# Altium PCB LOAPAY_V6.6.8.PcbDoc (part 1 of 2)
Units mm, origin at the board's own origin, x right, y up, seen from the top; angles counter-clockwise.
Board outline 78.36 x 56.26 mm, 4 copper layers (Top Layer, Layer 1, Layer 2, Bottom Layer), stack 1.021 mm thick; 204 components, 119 nets, 643 pads, 539 vias.
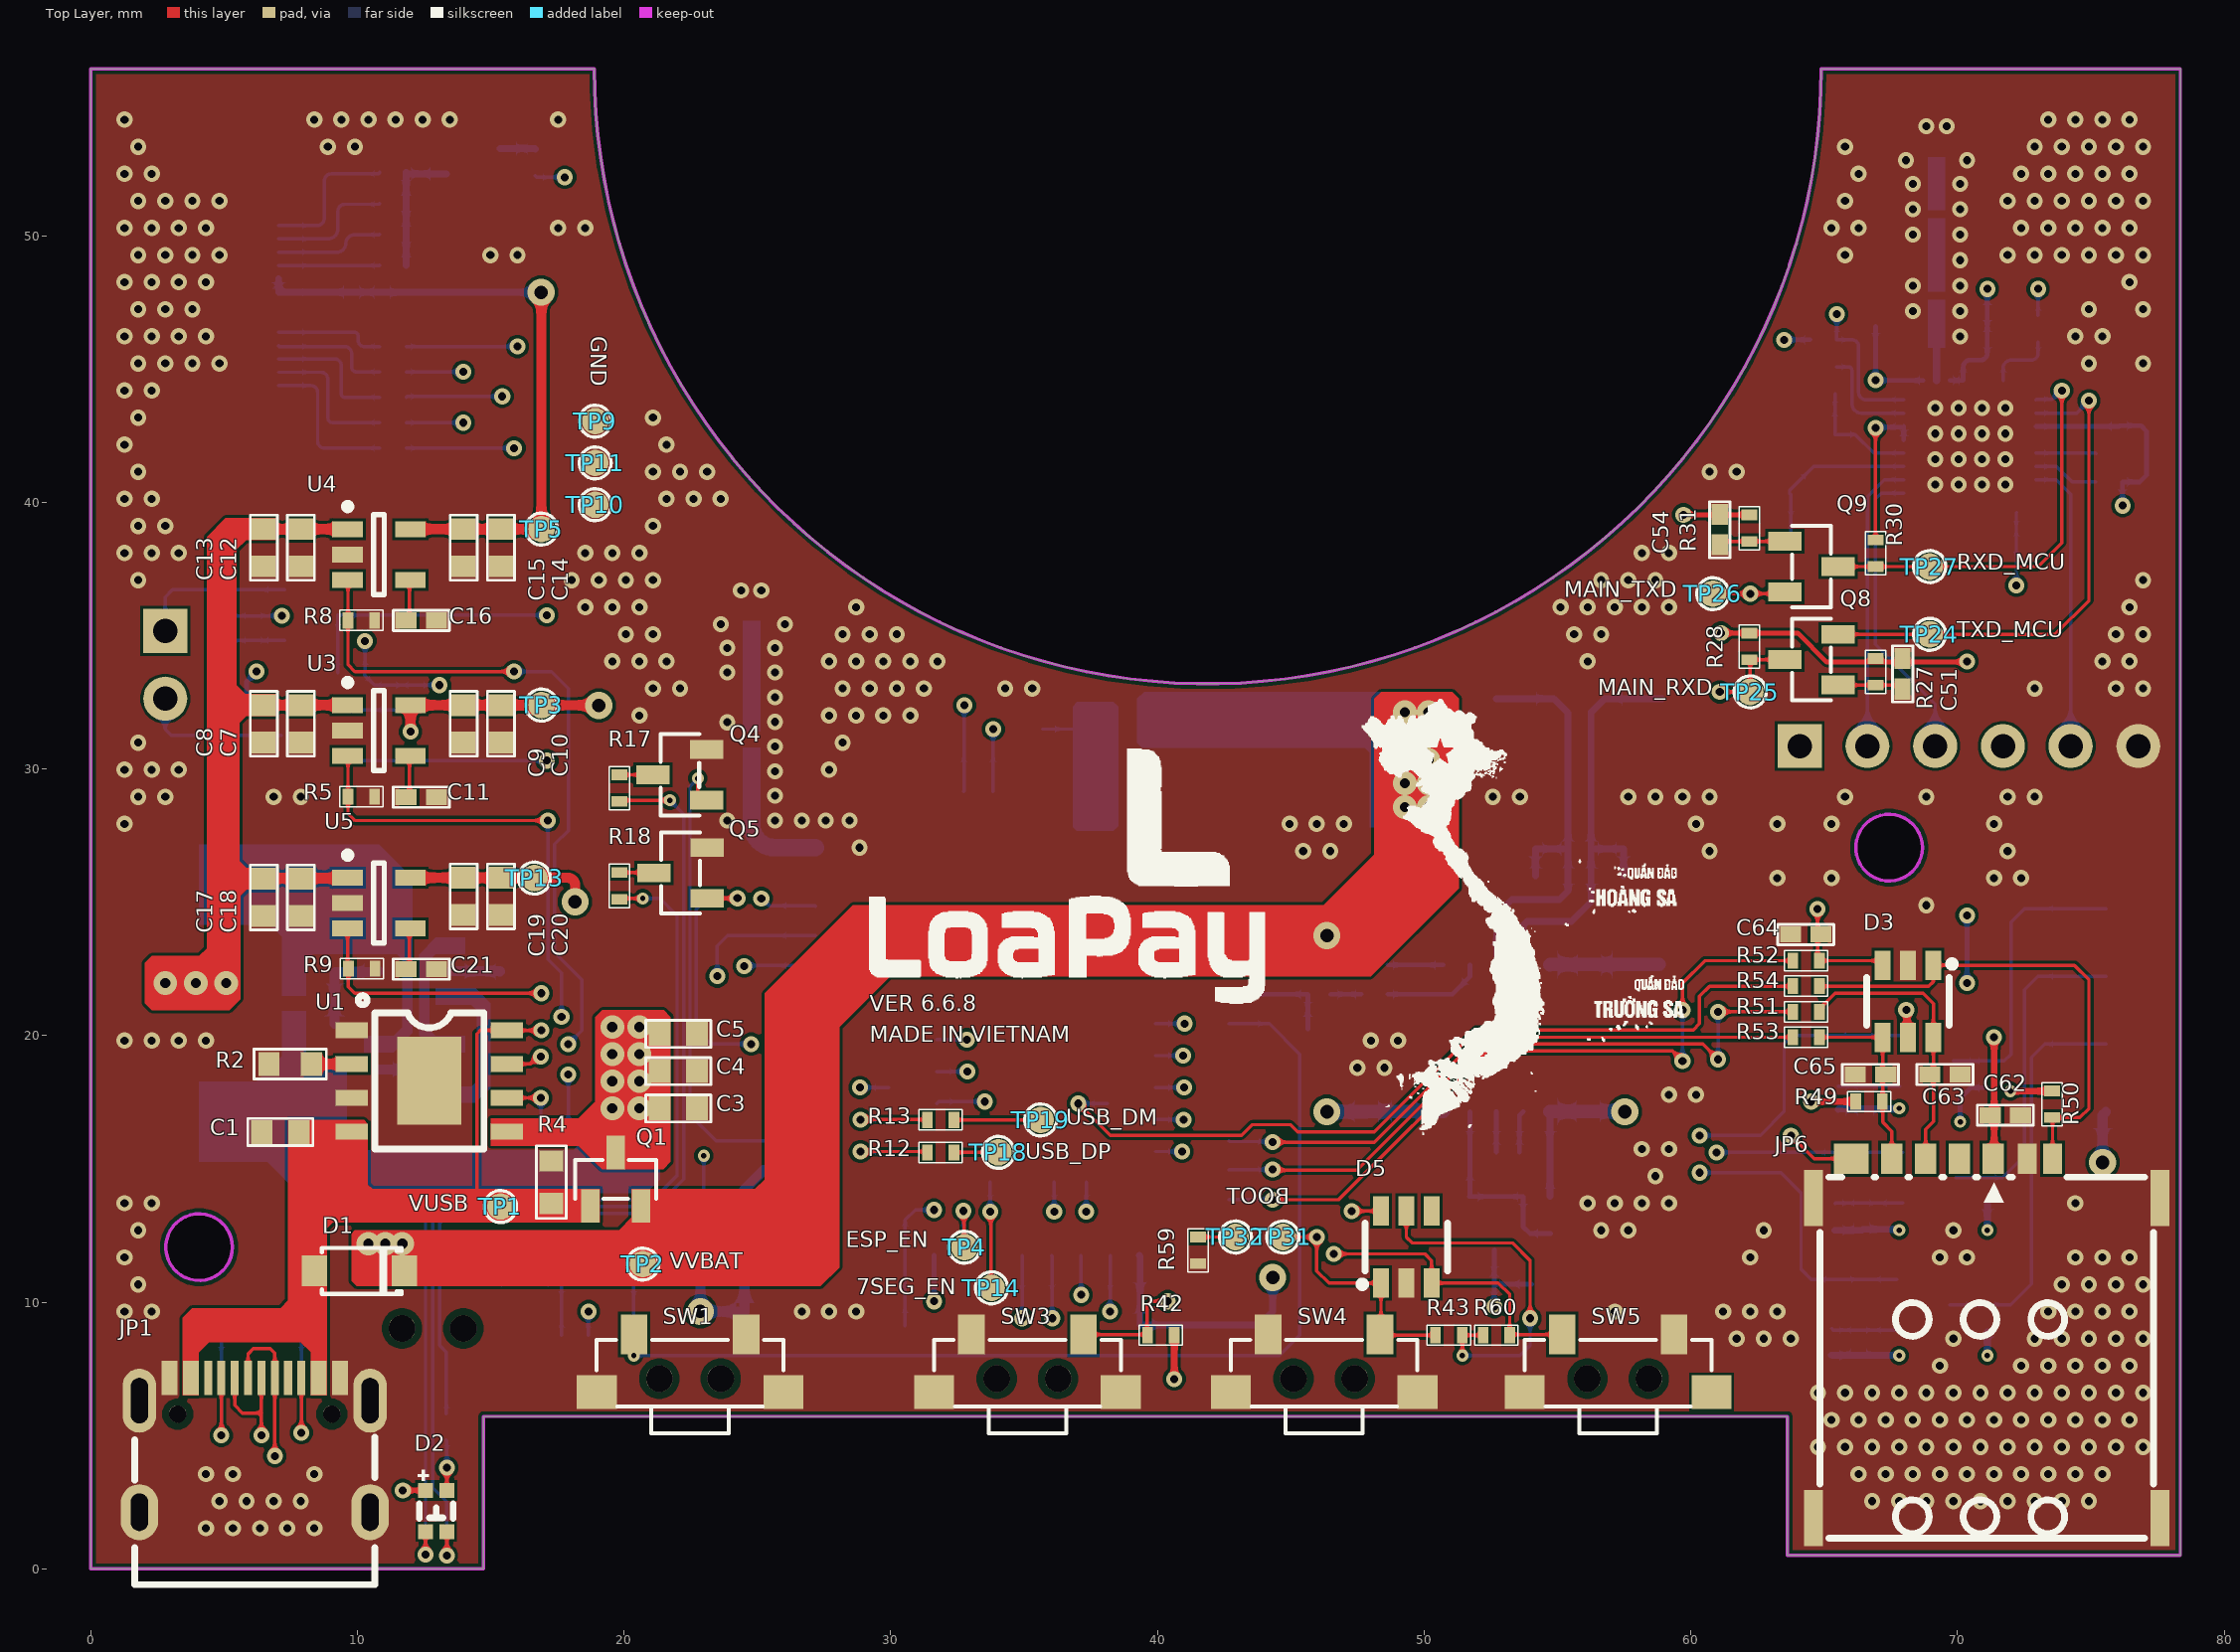
[diagram p0: Top Layer view]
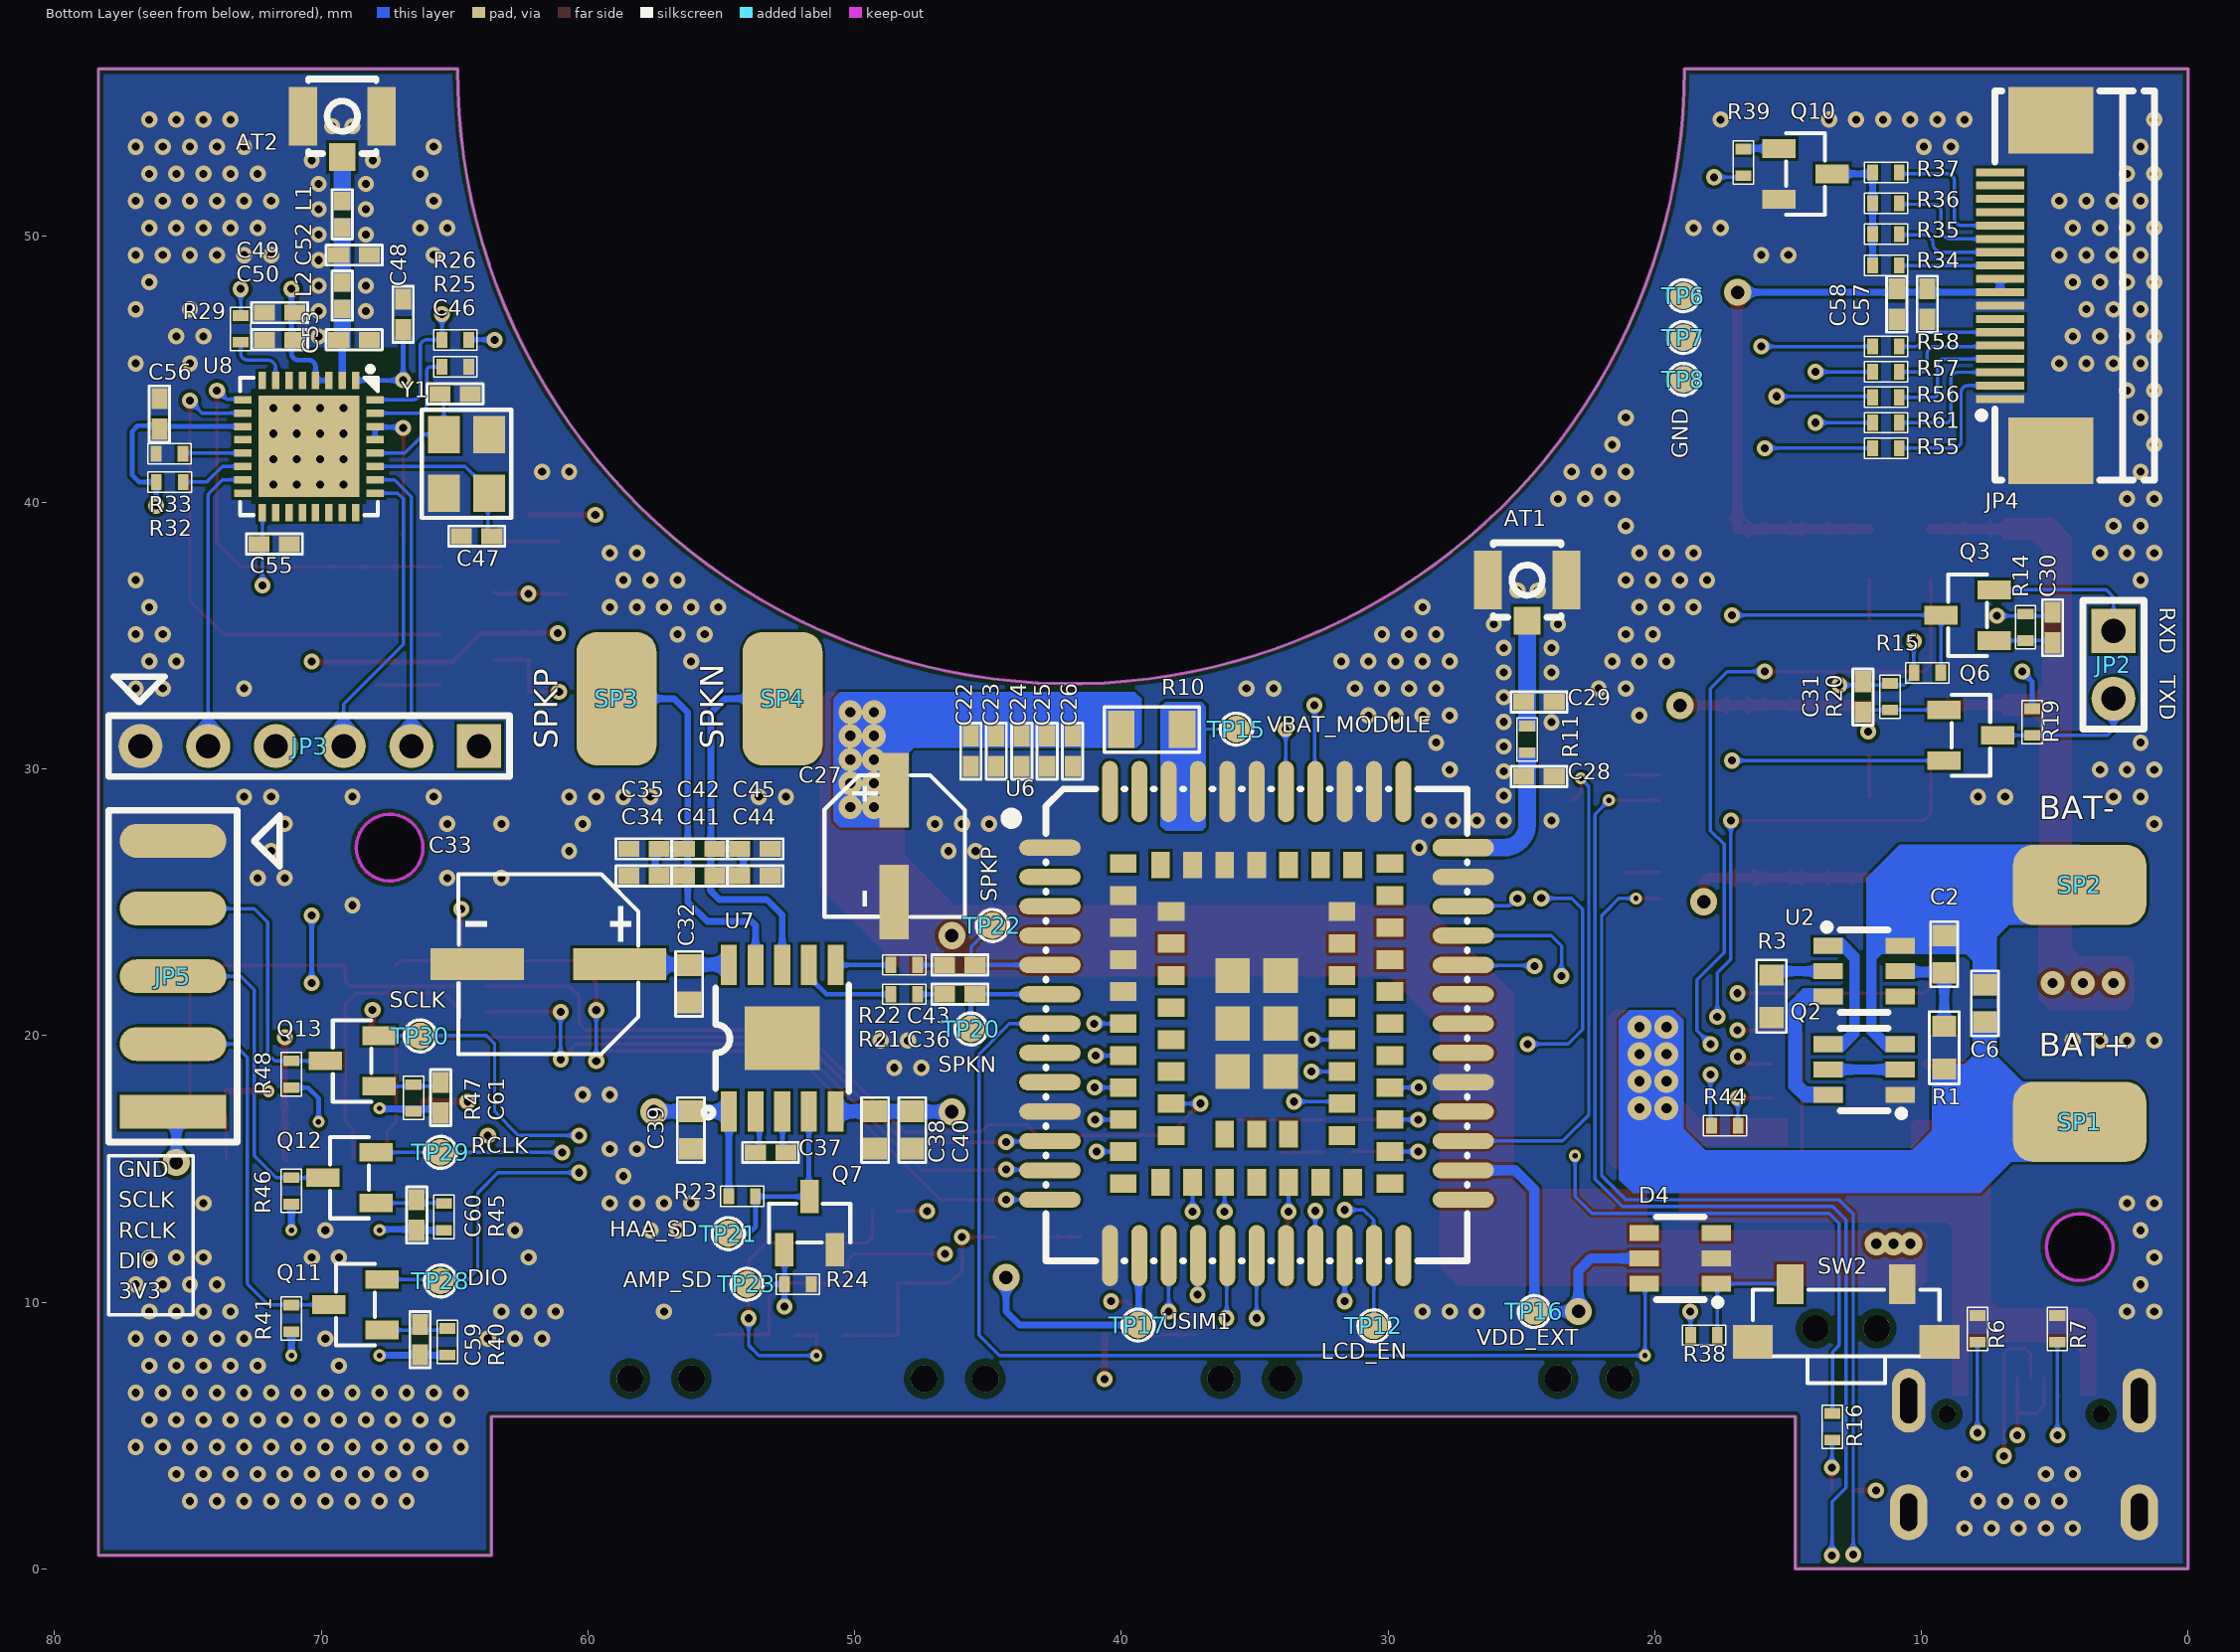
[diagram p1: Bottom Layer view, seen from below]
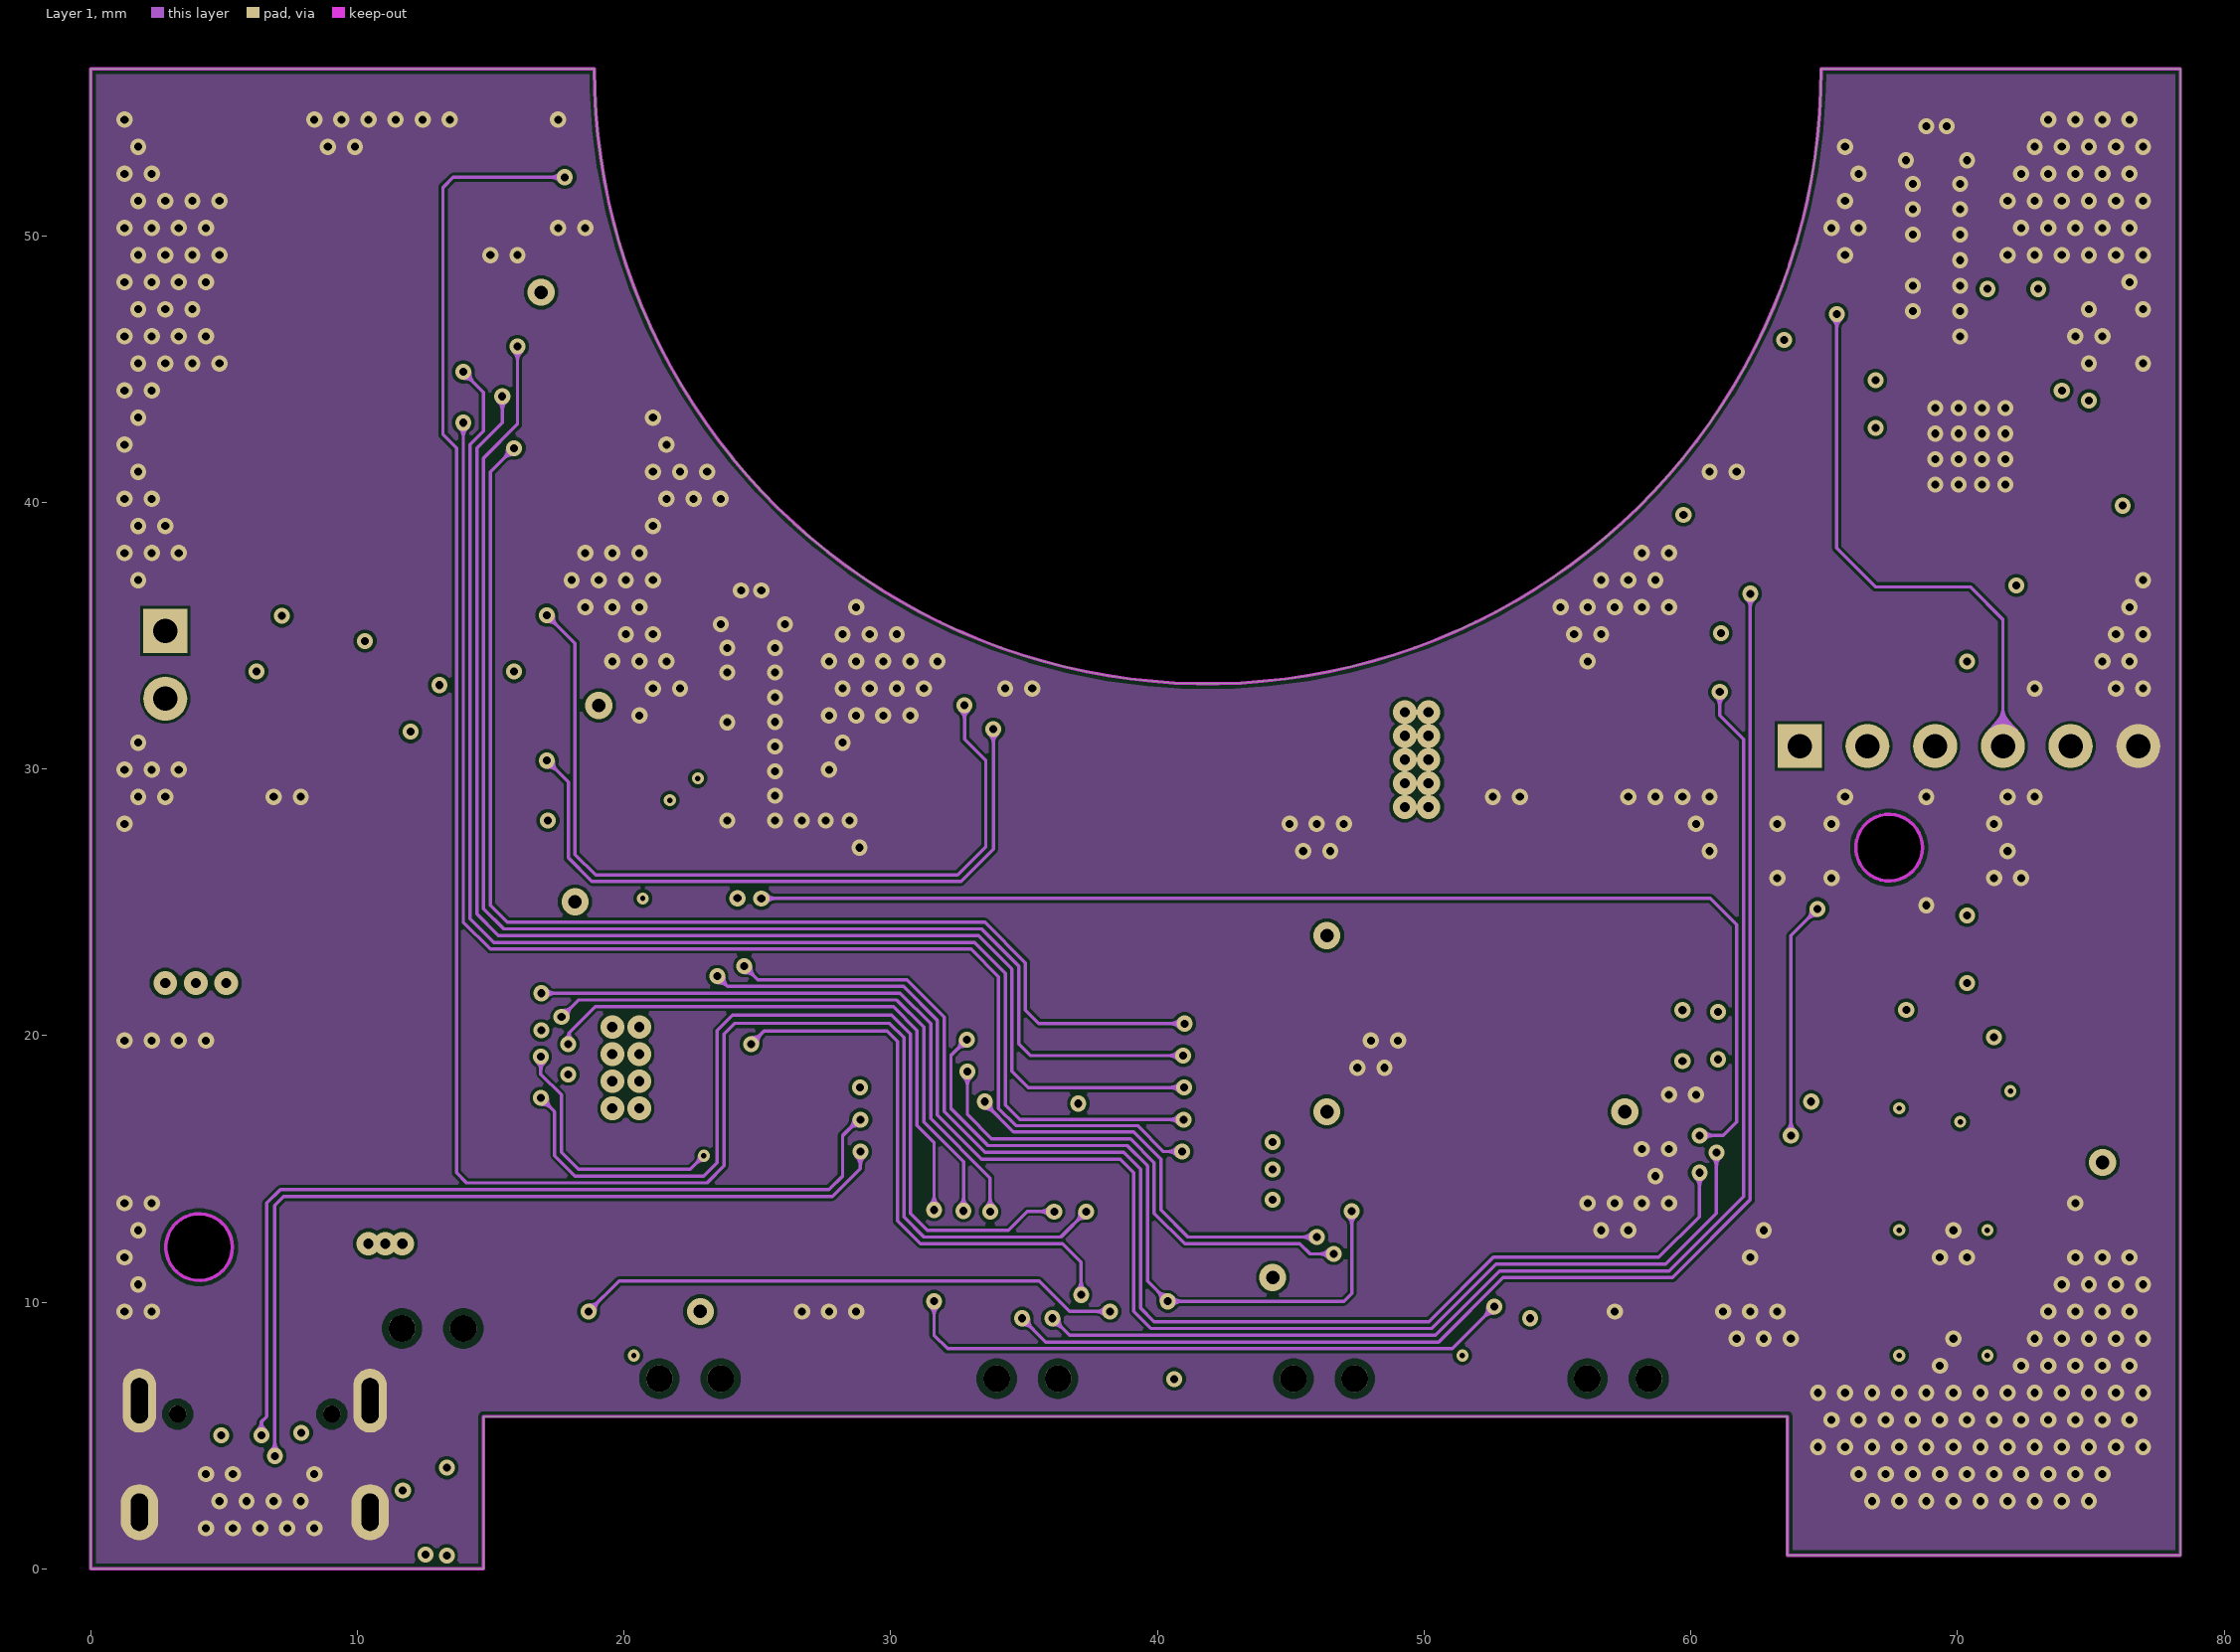
[diagram p2: Layer 1]